# Altium PCB PCB1.PcbDoc
Units mil, origin at the board's own origin, x right, y up, seen from the top; angles counter-clockwise.
Board outline 2750 x 3520 mil, 2 copper layers (Top Layer, Bottom Layer); 10 components, 15 nets, 79 pads, 2 vias.
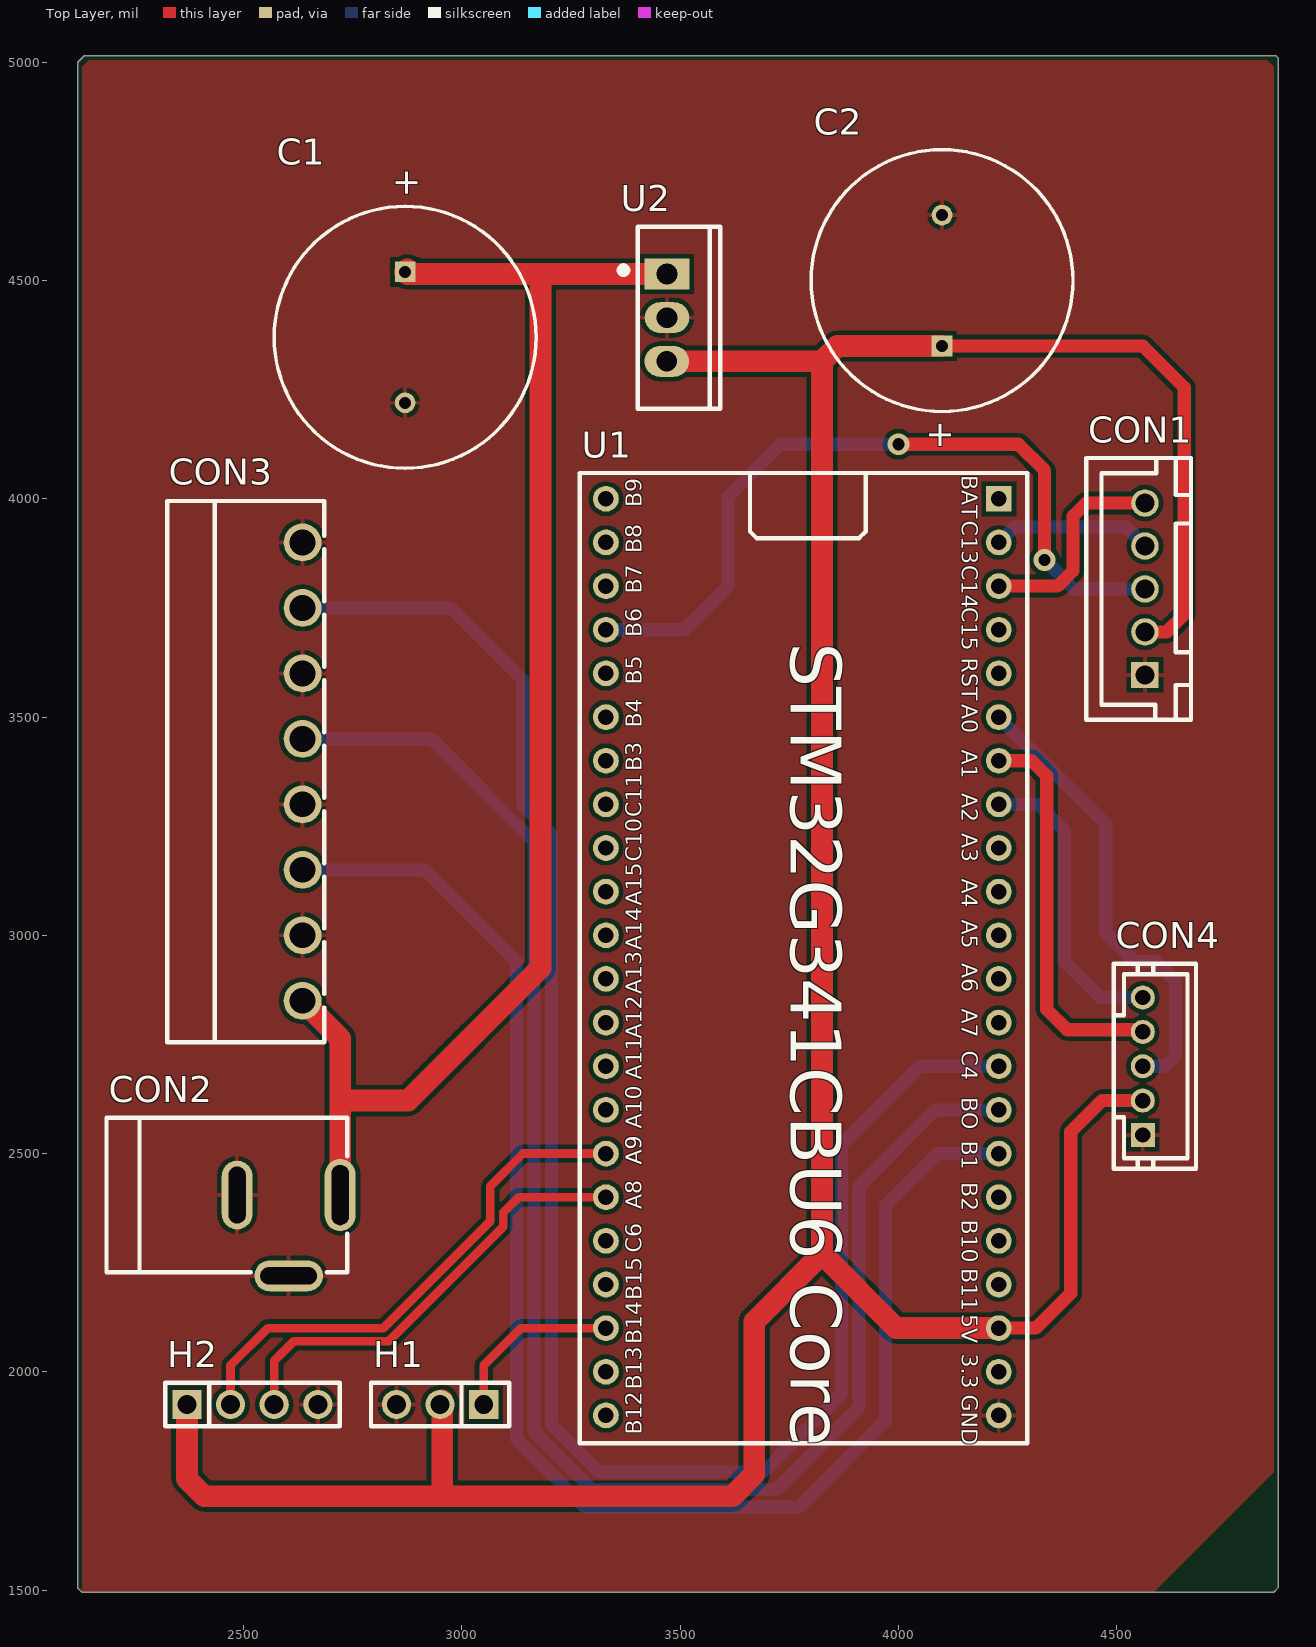
[diagram p0: Top Layer view]
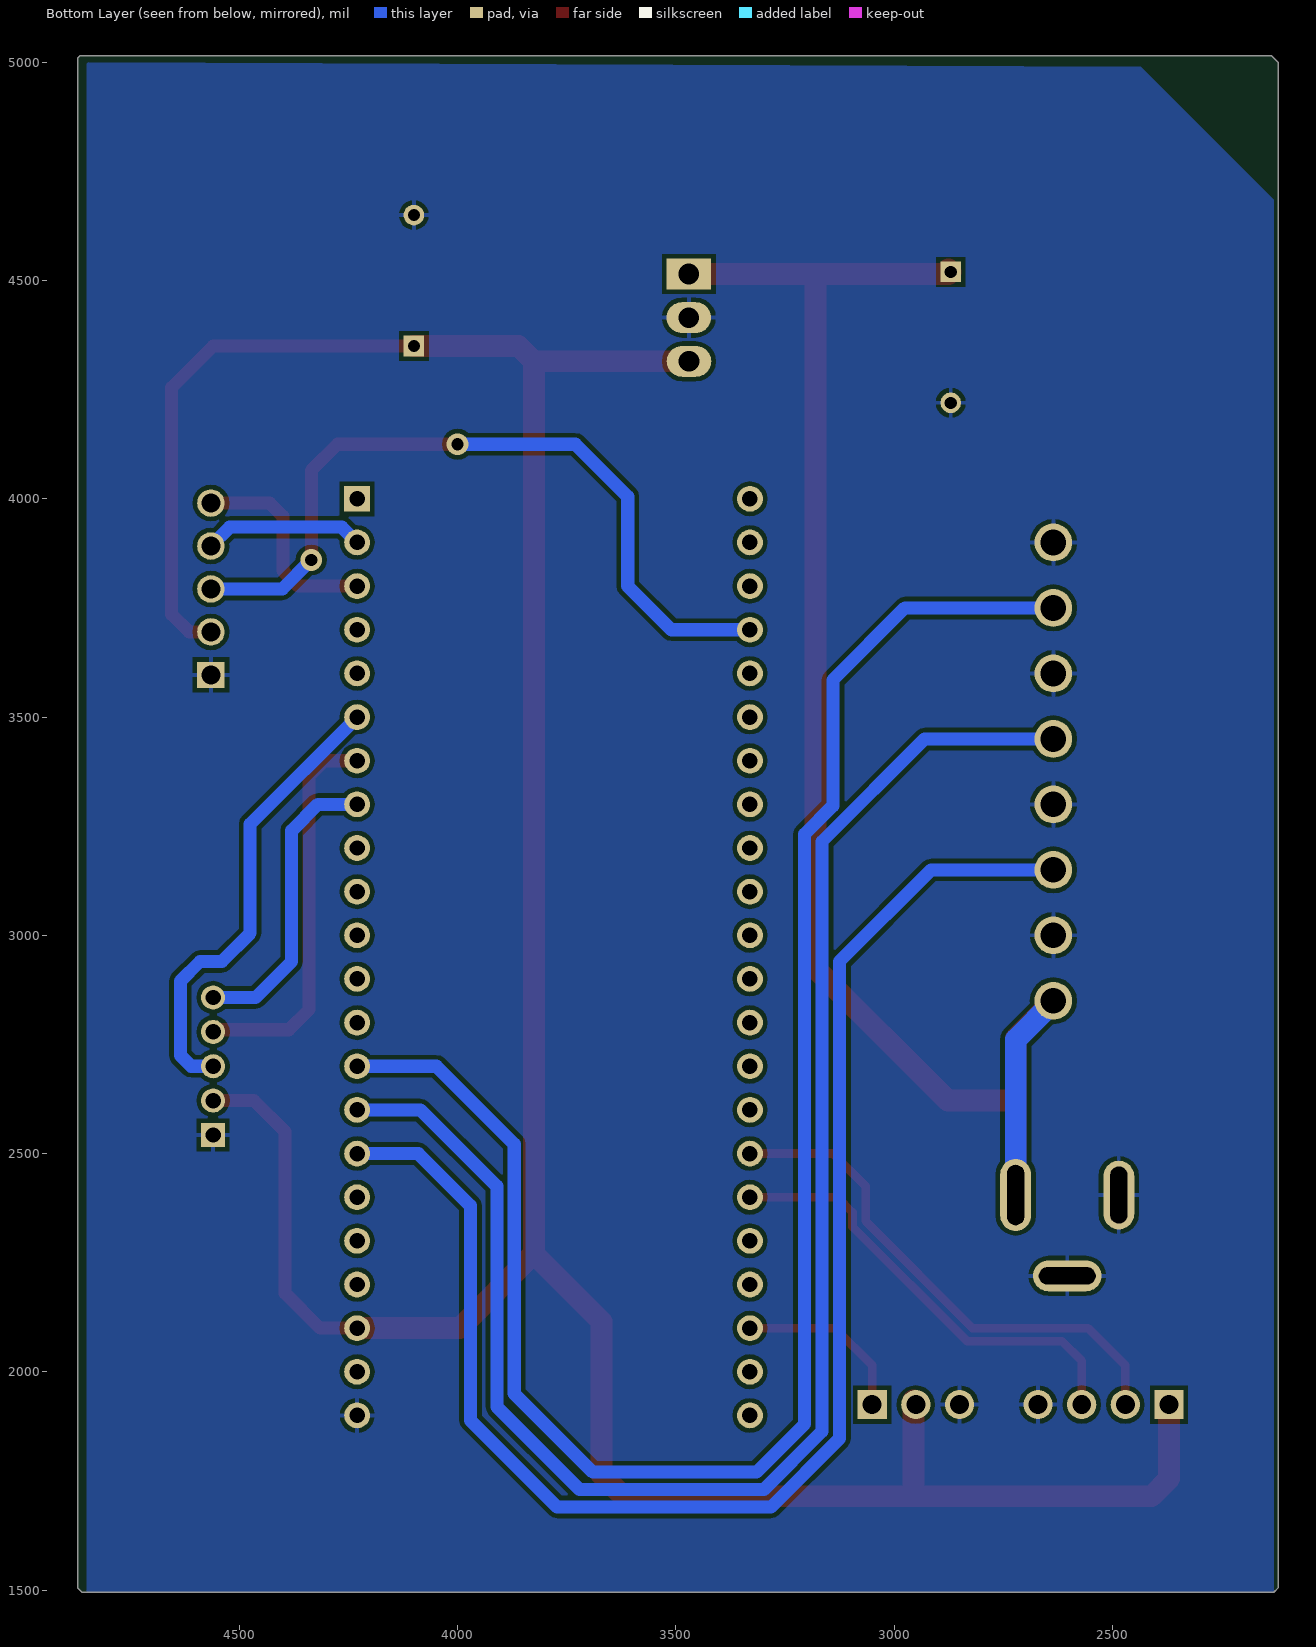
[diagram p1: Bottom Layer view, seen from below]

## Layer stack, top to bottom
Top Solder: solder mask 0.4, Solder Resist, Dk 3.5
Top Layer: signal copper 1.4
Dielectric 1: dielectric 12.6, FR-4, Dk 4.8
Bottom Layer: signal copper 1.4
Bottom Solder: solder mask 0.4, Solder Resist, Dk 3.5

## Board outline
2120,1505 2130,1495 4860,1495 4870,1505 4870,5010 4865,5015 2135,5015 2120,5000

## Design rules (kind name [scope] priority, off if disabled: settings)
Clearance Clearance_1 [All] p1: gap=10 ignorepadtopadclearanceinfootprint=FALSE except(0: Arc-Hole Track-Hole SMDPad-Hole THPad-Hole Via-Hole Fill-Hole Poly-Hole Region-Hole Text-Hole)
Clearance [All] p2: gap=10 ignorepadtopadclearanceinfootprint=FALSE except(0: Arc-Hole Track-Hole SMDPad-Hole THPad-Hole Via-Hole Fill-Hole Poly-Hole Region-Hole Text-Hole)
PolygonConnect [All] p1: connectstyle=Relief reliefconductorwidth=10 reliefentries=4 polygonreliefangle="90 Angle" airgapwidth=10
RoutingVias [All] p1: holewidth=28 width=50 viastyle="Through Hole" minholewidth=28 minwidth=50 maxholewidth=28 maxwidth=50
SolderMaskExpansion [All] p1: expansion=4
Width [All] p1: maxlimit=50 minlimit=10 preferedwidth=10 minimp=50.000000 maximp=50.000000 favimp=50.000000
30 further rules are at their usual default settings.

## Components (designator, comment, footprint, x,y, rotation, side; value= is the part's Value field where it differs from the comment)
C1 "Cap Pol1" RB7.6-15 2870,4370 r90 top value=100pF
C2 "Cap Pol1" RB7.6-15 4100,4500 r270 top value=100pF
CON1 "XH2.54-5P" CONN-TH_5P-P2.50_ZX-XH2.54-5PZZ 4565,3793.42 r90 top
CON2 "DC_Power_Connector" DC-IN-TH_DC-005-5A-2.0 2603.11,2312.41 r0 top
CON3 "8Pin_Screw" CONN-TH_8P-P3.81_WJ15EDGRC-3.81-8P 2635,3375 r270 top
CON4 "PH2.0_5Pin" CONN-TH_5P-P2.00-PH5A 4560,2700 r90 top
H1 "3Pin_Connector" HDR-TH_3P-P2.54-V-M 2950,1925 r180 top
H2 "2.54_4Pin" HDR-TH_4P-P2.54-V-M 2520,1925 r0 top
U1 "G431Core" PCBComponent_1 3830,2940 r0 top
U2 "lm7805" TO-220-3_L10.0-W4.5-P2.54-L 3469.8,4414.99 r270 top

## Footprints (in the part's own frame and the unit in brackets; to place one, negate y for a bottom-side part, rotate by r counter-clockwise, add the part's x,y. Pads: shape width x height; smd on the part's side, far side on the other; paste and mask are expansions set on the pad)
CONN-TH_5P-P2.00-PH5A [mm]
  rect 1.4x1.4 hole 0.9: 1(-4,0)
  round 1.4 hole 0.9: 2(-2,0) 3(0,0) 4(2,0) 5(4,0)
  silkscreen extent -5.96,-3.1 5.96,1.7
CONN-TH_5P-P2.50_ZX-XH2.54-5PZZ [mm]
  rect 1.524x1.6 hole 1.1: 1(-5,0)
  round 1.6 hole 1.1: 2(-2.5,0) 3(0,0) 4(2.5,0) 5(5,0)
  silkscreen extent -7.62,-2.68 7.62,3.42
CONN-TH_8P-P3.81_WJ15EDGRC-3.81-8P [mm]
  round 2.2 hole 1.5: 1(-13.335,0) 2(-9.525,0) 3(-5.715,0) 4(-1.905,0) 5(1.905,0) 6(5.715,0) 7(9.525,0) 8(13.335,0)
  silkscreen extent -15.75,-7.87 15.75,1.27
DC-IN-TH_DC-005-5A-2.0 [mm]
  oval 1.8x4.2 hole 1 slot 3.5 at 90 deg: 1(3,2.352)
  oval 1.8x4 hole 1 slot 3.3 at 90 deg: 2(-3,2.352)
  oval 4x1.8 hole 1 slot 3.3 at 0 deg: 3(0,-2.352)
  silkscreen extent -10.6,-2.15 3.4,6.85
HDR-TH_3P-P2.54-V-M [mm]
  rect 1.7x1.7 hole 1.1: 1(-2.54,0)
  round 1.7 hole 1.1: 2(0,0) 3(2.54,0)
  silkscreen extent -4.02,-1.27 4.02,1.27
HDR-TH_4P-P2.54-V-M [mm]
  rect 1.7x1.7 hole 1.1: 1(-3.81,0)
  round 1.7 hole 1.1: 2(-1.27,0) 3(1.27,0) 4(3.81,0)
  silkscreen extent -5.08,-1.27 5.08,1.27
PCBComponent_1 [mm]
  rect 1.5x1.5 hole 0.9: 1(10.16,26.924)
  round 1.5 hole 0.9: 2(10.16,24.384) 3(10.16,21.844) 4(10.16,19.304) 5(10.16,16.764) 6(10.16,14.224) 7(10.16,11.684) 8(10.16,9.144) 9(10.16,6.604) 10(10.16,4.064) 11(10.16,1.524) 12(10.16,-1.016) 13(10.16,-3.556) 14(10.16,-6.096) 15(10.16,-8.636) 16(10.16,-11.176) 17(10.16,-13.716) 18(10.16,-16.256) 19(10.16,-18.796) 20(10.16,-21.336) 21(10.16,-23.876) 22(10.16,-26.416) 23(-12.7,-26.416) 24(-12.7,-23.876) 25(-12.7,-21.336) 26(-12.7,-18.796) 27(-12.7,-16.256) 28(-12.7,-13.716) 29(-12.7,-11.176) 30(-12.7,-8.636) 31(-12.7,-6.096) 32(-12.7,-3.556) 33(-12.7,-1.016) 34(-12.7,1.524) 35(-12.7,4.064) 36(-12.7,6.604) 37(-12.7,9.144) 38(-12.7,11.684) 39(-12.7,14.224) 40(-12.7,16.764) 41(-12.7,19.304) 42(-12.7,21.844) 43(-12.7,24.384) 44(-12.7,26.924)
  silkscreen extent -14.22,-28.03 11.81,28.42
RB7.6-15 [mm] "Polarized Capacitor (Radial); 2 Leads"
  rect 1.2x1.2 hole 0.7: 1(3.81,0)
  round 1.2 hole 0.7: 2(-3.81,0)
  silkscreen extent -7.62,-7.62 7.62,7.62
TO-220-3_L10.0-W4.5-P2.54-L [mm]
  rect 1.8x2.6 hole 1.2: 1(-2.54,0.005)
  oval 1.8x2.6 hole 1.2: 2(0,0.005)
  oval 1.8x2.6 hole 1.2 copper offset 0,0: 3(2.54,-0.005)
  silkscreen extent -5.3,-2.73 5.3,3.09

## Part data
C1 C2: "Polarized Capacitor (Radial)", LatestRevisionDate=17-Jul-2002, LatestRevisionNote="Re-released for DXP Platform.", PackageDescription="Polarized Capacitor (Radial); 2 Leads", PackageReference=RB7.6-15, Published=8-Jun-2000, Publisher="Altium Limited"
CON1: Current Rating (Max)=3A, JLCPCB Part Class=扩展, LCSC Part Name=ZX-XH2.54-5PZZ, Manufacturer=Megastar(兆星, Operating Temperature Range=-25¡æ~+85¡, Add into BOM=yes, Contact Material=»ÆÍ, Contact Plating=锡, Convert to PCB=yes, Datasheet=https://atta.szlcsc.com/upload/public/pdf/source/20230619/60EEF4ADD558E90BFFACF5D939816781.pdf, Device=ZX-XH2.54-5PZZ, Manufacturer Part=ZX-XH2.54-5PZZ, Mounting Style=Ö±², Number of Pins=5P, Number of PINs Per Row=5, Number of Rows=1, Pins Structure=1x5P, Pitch=2.54mm, Reference Series=XH, Row Spacing=-, Supplier=LCSC, Supplier Footprint=插件,P=2.54m, Supplier Part=C7429635, Symbol=ZX-XH2.54-5PZZ
CON2: Current Rating (Max)=5A, JLCPCB Part Class=扩展, LCSC Part Name="DC电源插座 内径:2mm 外¾", Manufacturer="XKB Connection(中国星", Manufacturer Part=DC-005-5A-2.0, Operating Temperature Range=-20¡æ~+70¡, Voltage Rating (Max)=24V, Add into BOM=yes, Connector Type=DCµçÔ´², Convert to PCB=yes, Datasheet=https://atta.szlcsc.com/upload/public/pdf/source/20211015/707A35F7AB6E89C57AAB641950105BB7.pdf, Device=DC-005-5A-2.0, Inside Contact Diameter=2mm, Mounting Style=Íä², Outside Contact Diameter=6.2mm, Supplier=LCSC, Supplier Footprint=²å¼, Supplier Part=C381116, Symbol=DC-005-5A-2.0
CON3: Color=-, Current Rating (Max)=8A, JLCPCB Part Class=扩展, LCSC Part Name="1x8P 3.81mm 排数:1 每排P", Manufacturer=KANGNEX(康奈克斯, Manufacturer Part=WJ15EDGRC-3.81-8P, Operating Temperature Range=-40¡æ~+105¡, Voltage Rating (Max)=300V, Add into BOM=yes, Connection Type=-, Connector Type=板端/插座, Contact Material=»ÆÍ, Contact Plating=锡, Convert to PCB=yes, Datasheet=https://atta.szlcsc.com/upload/public/pdf/source/20191225/C14235_C8BDA83BBDBD01ECF9C88040C6983038.pdf, Device=WJ15EDGRC-3.81-8P, fixed form=-, Mounting Style=ÍäÕ, Number of Pins=8P, Number of PINs Per Row=8, Number of Rows=1, Outlet Direction (Vertical Basis)=-, Pitch=3.81mm, Soldering Temperature(Max)=-, Structure=1x8P, Supplier=LCSC, Supplier Footprint=弯插,P=3.81m, Supplier Part=C14235, Symbol=WJ15EDGRC-3.81-8P, Wire Gauge - AWG=-, Wire Gauge - mm2=-
CON4: Current Rating (Max)=2A, JLCPCB Part Class=扩展, LCSC Part Name="PH 2.0mm 1x5P Ö±²", Manufacturer=XUNPU(讯普, Manufacturer Part=WAFER-PH2.0-5PZZ, Operating Temperature Range=-25¡æ~+85¡, Add into BOM=yes, Convert to PCB=yes, Device=WAFER-PH2.0-5PZZ, Mounting Style=Ö±², Number of Pins=5P, Number of PINs Per Row=5, Number of Rows=1, Pins Structure=1x5P, Pitch=2mm, Reference Series=PH, Supplier=LCSC, Supplier Footprint=插件,P=2m, Supplier Part=C5359602, Symbol=WAFER-PH2.0-5PZZ
H1: Color=ºÚÉ, Current Rating (Max)=3A, JLCPCB Part Class=扩展, LCSC Part Name="间距:2.54mm 1x3P 直插", Manufacturer=XFCN(兴飞, Manufacturer Part=PZ254V-11-03P, Operating Temperature Range=-40¡æ~+105¡, Voltage Rating (Max)=250V, Add into BOM=yes, Circluar Pins/Square Pins=·½Õ, Convert to PCB=yes, Datasheet=https://atta.szlcsc.com/upload/public/pdf/source/20200309/C492402_8335C3D49C4E4C618838D59BB1D024C1.pdf, Device=PZ254V-11-03P, Insulation Height=2.5mm, Length of End Connection Pin=3mm, Length of Mating Pin=6mm, Mounting Type=Ö±², Number of Pins=3P, Number of Rows=µ¥Å, Pin Structure=1x3P, Pitch=2.54mm, Row Spacing=-, Supplier=LCSC, Supplier Footprint=插件,P=2.54m, Supplier Part=C2937625, Symbol=PZ254V-11-03P_C2937625
H2: Color=ºÚÉ, Current Rating (Max)=3A, JLCPCB Part Class=扩展, LCSC Part Name="间距:2.54mm 1x4P 直插", Manufacturer=XFCN(兴飞, Manufacturer Part=PZ254V-11-04P, Operating Temperature Range=-40¡æ~+105¡, Voltage Rating (Max)=250V, Add into BOM=yes, Circluar Pins/Square Pins=·½Õ, Contact Material=-, Convert to PCB=yes, Datasheet=https://atta.szlcsc.com/upload/public/pdf/source/20200309/C492403_F9F19131791D08044AD4F84F8E751A34.pdf, Device=PZ254V-11-04P, Insulation Height=2.5mm, Length of End Connection Pin=3mm, Length of Mating Pin=6mm, Mounting Type=Ö±², Number of Pins=4P, Number of Rows=µ¥Å, Pin Structure=1x4P, Pitch=2.54mm, Row Spacing=-, Supplier=LCSC, Supplier Footprint=插件,P=2.54m, Supplier Part=C2691448, Symbol=PZ254V-11-04P_C2691448

## Via types
v1: diameter 50, hole 28, Top Layer to Bottom Layer, 2 vias

## Nets (pads, with @x,y where several pads share a name; then routed paths per layer and width w, separated by ;. In a path a pad name is that pad's centre, name@x,y a point inside that pad or via, vN(x,y) a via of type N, cw(c..) or ccw(c..) an arc to the next point about the centre after c; other vN are vias at no path point)
+5: C2.1 CON1.2 CON4.2 H1.2 H2.1 U1.20 U2.3 | length 7445.4
  Top Layer w30: C2.1 4560,4350 4655,4255 4655,3735 4614.99,3694.99 CON1.2 ; U1.20 4315,2100 4395,2180 4395,2550 4466.26,2621.26 CON4.2
  Top Layer w50: H2.1 2370,1755 2410,1715 2955,1715 ; H1.2@2955,1935 2955,1925 2955,1715 ; U2.3 3824.99,4314.99 ; C2.1 3860,4350 3824.99,4314.99 ; U1.20 3995,2100 3824.99,2270.01 ; 2955,1715 3620,1715 3670,1765 3670,2115.02 3824.99,2270.01 ; 3824.99,2270.01 3824.99,4314.99
+12: C1.1 CON2.1 CON3.8 U2.1 | length 3748.1
  Top Layer w50: CON3.8 2721.22,2763.78 2721.22,2621.26 ; CON2.1 2721.22,2621.26 ; C1.1 2875,4525 2875,4515 3180,4515 ; U2.1 3180,4515 ; 2721.22,2621.26 2876.26,2621.26 3180,2925 3180,4515
  Bottom Layer w50: CON3.8 2635,2847.15 2721.22,2760.93 CON2.1
GND: C1.2 C2.2 CON1.1 CON2.2 CON2.3 CON3.1 CON3.3 CON3.5 CON3.7 CON4.1 H1.3 H2.4 U1.22 U2.2
NetCON1_3: CON1.3 U1.41 | length 1788.6
  Top Layer w30: v1(4000,4125) 4275,4125 4335,4065 v1(4335,3860)
  Bottom Layer w30: U1.41 3510,3700 3610,3800 3610,4005 3730,4125 v1(4000,4125) ; v1(4335,3860) 4401.59,3793.41 CON1.3
NetCON1_4: CON1.4 U1.2 | length 367.4
  Bottom Layer w30: U1.2 4265,3935 4521.85,3935 CON1.4
NetCON1_5: CON1.5 U1.3 | length 487
  Top Layer w30: U1.3 4365,3800 4400,3835 4400,3960 4430.28,3990.28 CON1.5
NetCON3_2: CON3.2 U1.14 | length 4095.8
  Bottom Layer w30: CON3.2 2975,3750 3140,3585 3140,3296.57 3205,3231.57 3205,1880 3315,1770 3690,1770 3870,1950 3870,2521.46 4048.54,2700 U1.14
NetCON3_4: CON3.4 U1.15 | length 3755.4
  Bottom Layer w30: CON3.4 2930,3450 3165,3215 3165,1863.43 3298.43,1730 3720,1730 3910,1920 3910,2425 4085,2600 U1.15
NetCON3_6: CON3.6 U1.16 | length 3463.8
  Bottom Layer w30: CON3.6 2915,3150 3125,2940 3125,1846.86 3281.86,1690 3771.98,1690 3970.5,1888.53 3970.5,2380.5 4090,2500 U1.16
NetCON4_3: CON4.3 U1.6 | length 1057.4
  Bottom Layer w30: U1.6 4475,3255 4475,3005 4540,2940 4590,2940 4635,2895 4635,2725 4610,2700 CON4.3
NetCON4_4: CON4.4 U1.7 | length 900.7
  Top Layer w30: U1.7 4305,3400 4340,3365 4340,2830 4386.45,2783.55 4555.19,2783.55 CON4.4
NetCON4_5: CON4.5 U1.8 | length 689
  Bottom Layer w30: U1.8 4320,3300 4380,3240 4380,2940 4462.52,2857.48 CON4.5
NetH1_1: H1.1 U1.25 | length 395.2
  Top Layer w20: H1.1@3050,1935 3050,2015 3135,2100 U1.25
NetH2_2: H2.2 U1.29 | length 1197.8
  Top Layer w20: H2.2 2470,2015 2555,2100 2820,2100 3065,2345 3065,2425 3140,2500 U1.29
NetH2_3: H2.3 U1.28 | length 1034.3
  Top Layer w20: H2.3 2570,2025 2615,2070 2832.43,2070 3095,2332.57 3095,2365 3130,2400 U1.28
pads on no net: U1.1 U1.4 U1.5 U1.9 U1.10 U1.11 U1.12 U1.13 U1.17 U1.18 U1.19 U1.21 U1.23 U1.24 U1.26 U1.27 U1.30 U1.31 U1.32 U1.33 U1.34 U1.35 U1.36 U1.37 U1.38 U1.39 U1.40 U1.42 U1.43 U1.44

## Polygon pours and split planes (outlines as drawn)
GND on Top Layer "GND_L01_P000" (solid, pour order 0): 2145,5005 2130,4990 2130,1495 4585,1495 4860,1770 4860,4990 4845,5005
GND on Bottom Layer "GND_L02_P002" (solid, pour order 2): 2435,4990 2130,4685 2130,1495 4855,1495 4850,1500 4850,5000

## Silkscreen, mask and mechanical layers (free items; w line width, h text height)
Mechanical 1:
  the board outline again, w10

## Text inside footprints (layer, text, board x,y; h text height)
C1: Top Overlay "+" at 2899.01,4690.15 h59.06 r90
C2: Top Overlay "+" at 4070.99,4179.85 h59.06 r270
U1: Top Overlay "B6" at 3412,3683 h37 r90; Top Overlay "B5" at 3412,3574 h37 r90; Top Overlay "B4" at 3412,3475 h37 r90; Top Overlay "B3" at 3412,3376 h37 r90; Top Overlay "C11" at 3412,3271 h37 r90; Top Overlay "C10" at 3412,3169 h37 r90; Top Overlay "A15" at 3412,3068 h37 r90; Top Overlay "A14" at 3412,2966 h37 r90; Top Overlay "A13" at 3412,2865 h37 r90; Top Overlay "A12" at 3412,2763 h37 r90; Top Overlay "A11" at 3412,2669 h37 r90; Top Overlay "A10" at 3412,2557 h37 r90; Top Overlay "A9" at 3412,2474 h37 r90; Top Overlay "A9" at 3412,2474 h37 r90; Top Overlay "A8" at 3412,2372 h37 r90; Top Overlay "B7" at 3412,3783 h37 r90; Top Overlay "B8" at 3412,3875 h37 r90; Top Overlay "B9" at 3412,3981 h37 r90; Top Overlay "C6" at 3412,2273 h37 r90; Top Overlay "C4" at 4145,2736 h37 r270; Top Overlay "B11" at 4145,2237 h37 r270; Top Overlay "C15" at 4145,3752 h37 r270; Top Overlay "GND" at 4145,1947 h37 r270; Top Overlay "3.3" at 4145,2041 h37 r270; Top Overlay "5V" at 4145,2132 h37 r270; Top Overlay "B10" at 4145,2348 h37 r270; Top Overlay "B2" at 4145,2434 h37 r270; Top Overlay "B1" at 4145,2529 h37 r270; Top Overlay "BO" at 4145,2629 h37 r270; Top Overlay "A7" at 4145,2832 h37 r270; Top Overlay "A6" at 4145,2936 h37 r270; Top Overlay "A5" at 4145,3036 h37 r270; Top Overlay "A4" at 4145,3130 h37 r270; Top Overlay "A3" at 4145,3234 h37 r270; Top Overlay "A2" at 4145,3325 h37 r270; Top Overlay "A1" at 4145,3425 h37 r270; Top Overlay "A0" at 4145,3529 h37 r270; Top Overlay "RST" at 4145,3636 h37 r270; Top Overlay "C14" at 4145,3848 h37 r270; Top Overlay "C13" at 4145,3950 h37 r270; Top Overlay "BAT" at 4145,4054 h37 r270; Top Overlay "B12" at 3412,1856 h37 r90; Top Overlay "B13" at 3412,1959 h37 r90; Top Overlay "B14" at 3412,2063 h37 r90; Top Overlay "B15" at 3412,2164 h37 r90; Top Overlay "STM32G341CBU6 Core" at 3715,3670 h200 r270